# Altium PCB tesis.PcbDoc (part 2 of 3)
Units mil, origin at the board's own origin, x right, y up, seen from the top; angles counter-clockwise.
Board outline 5873 x 4555 mil, 2 copper layers (Top Layer, Bottom Layer); 272 components, 151 nets, 815 pads, 292 vias.
Unrouted connection lines stored in the file: 224.
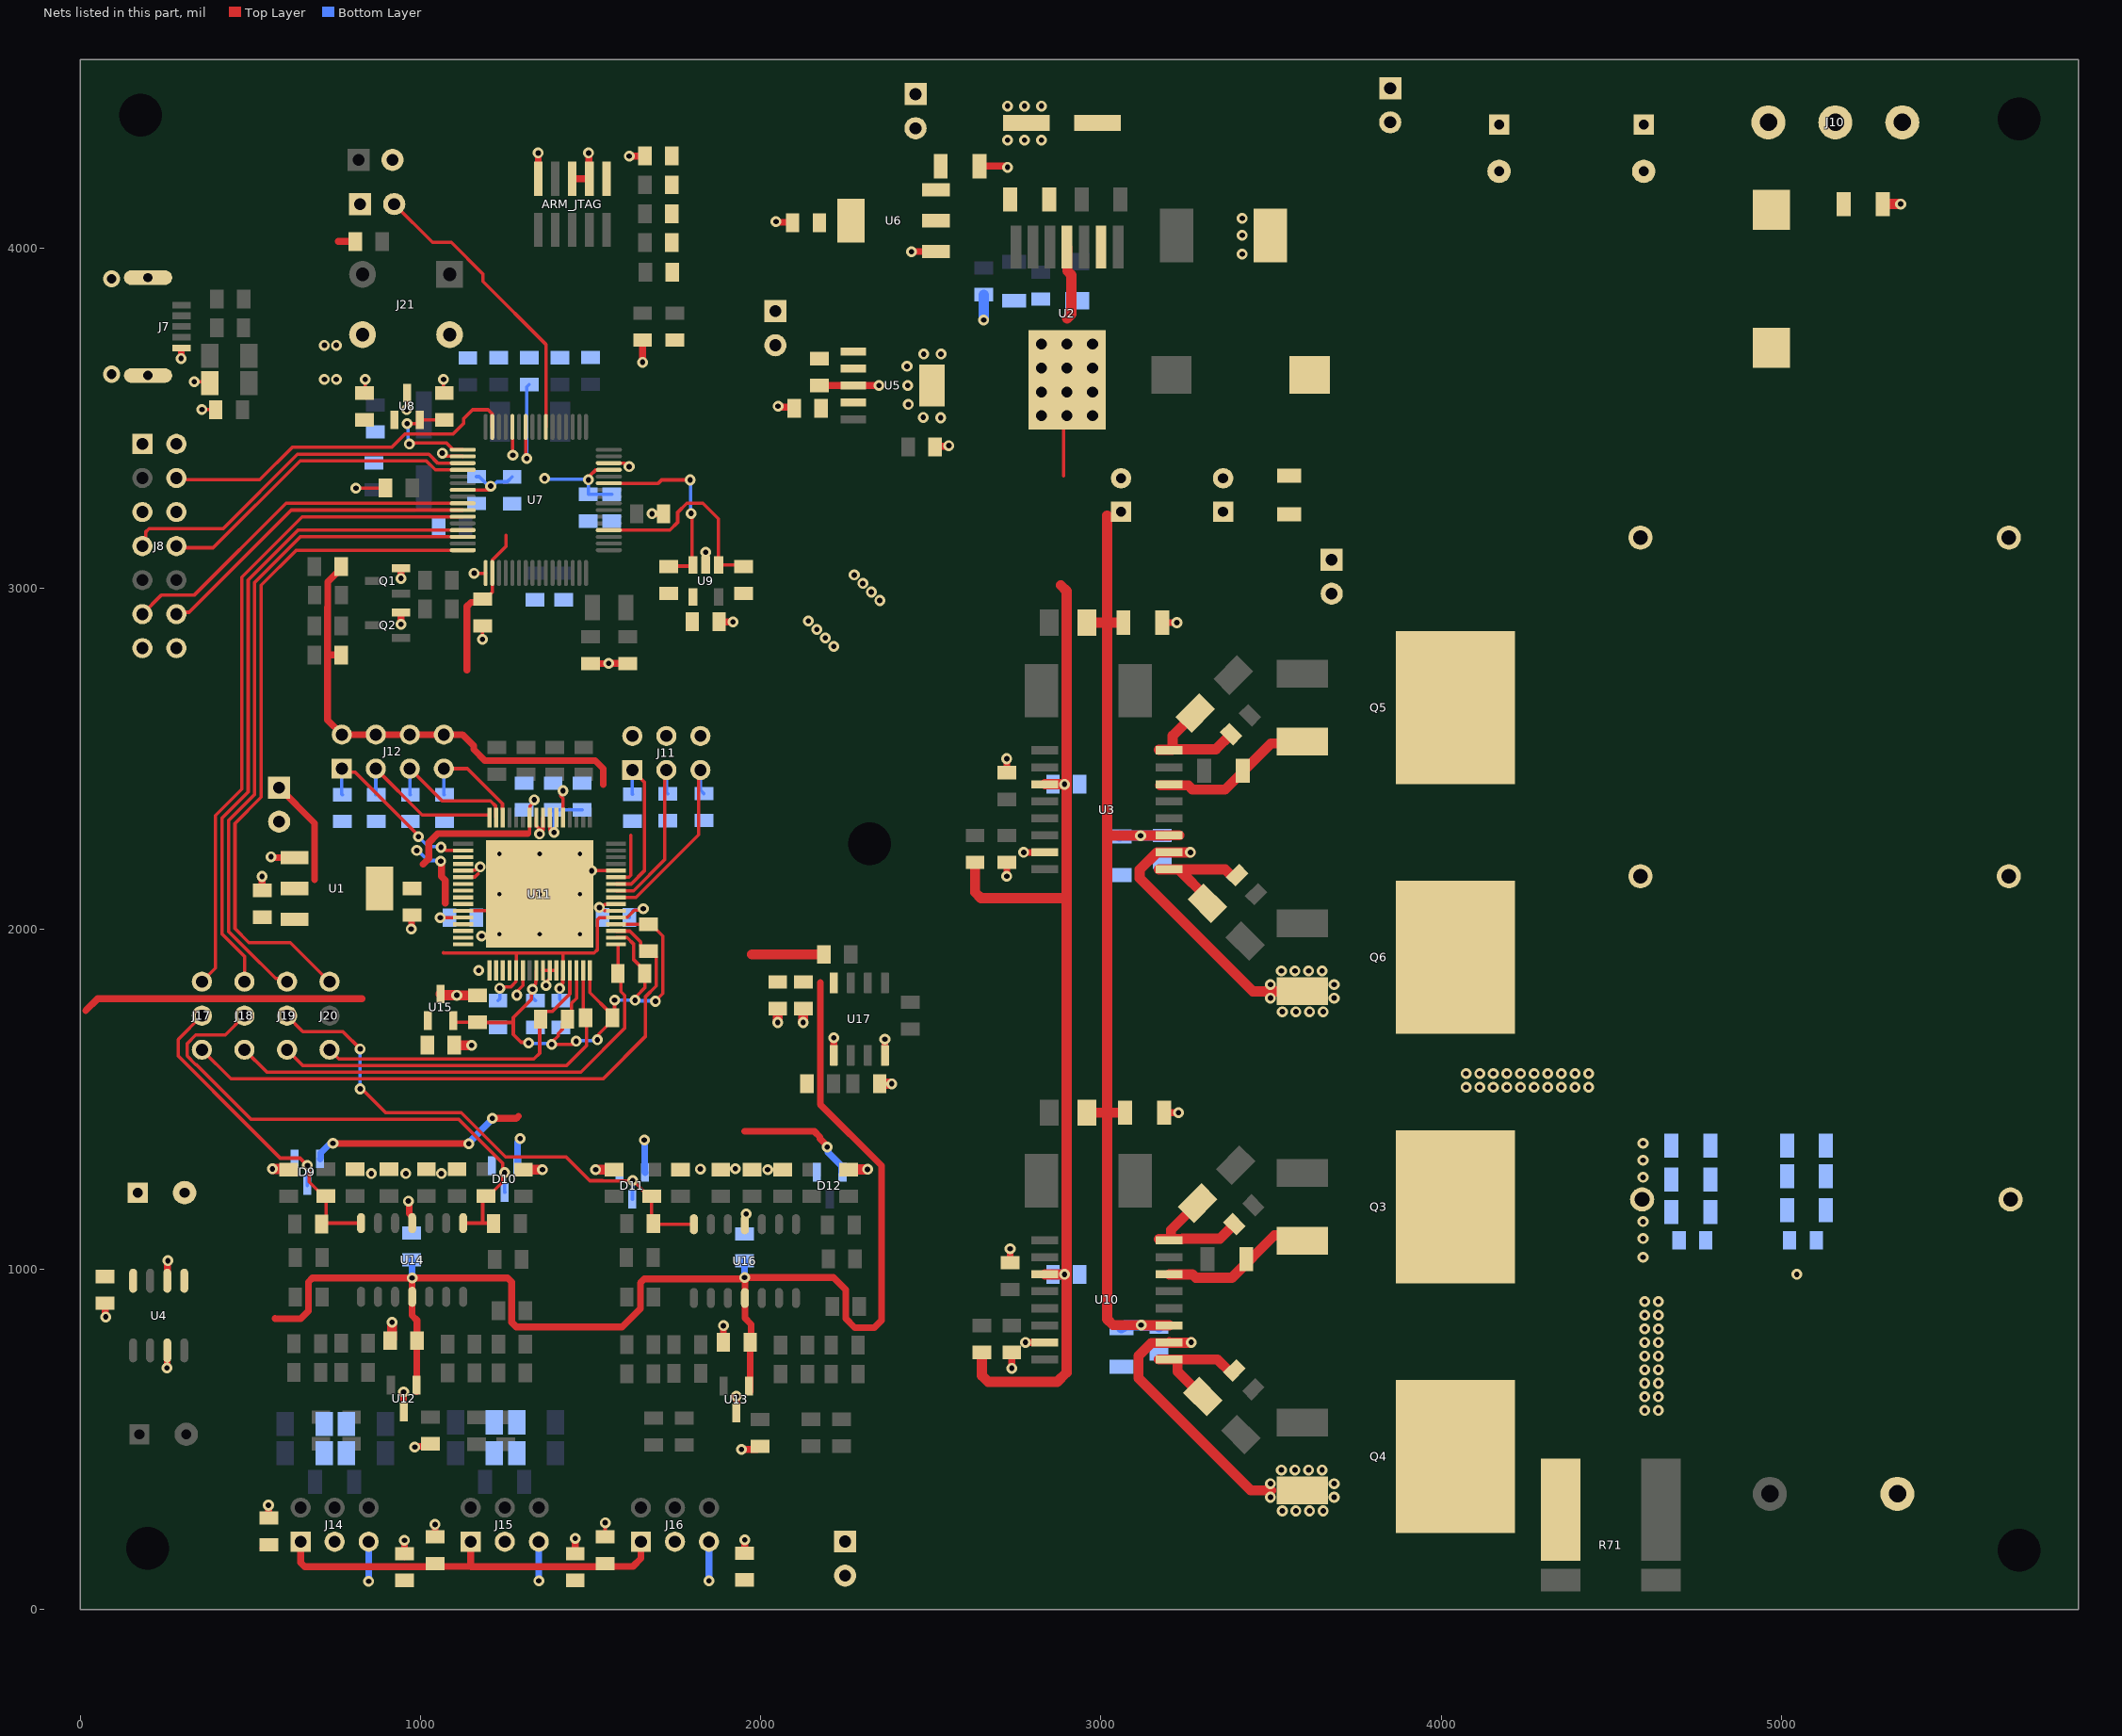
[diagram p2: the nets of this part, all layers, seen from the top]

## Part data (continued)
D2: "LED YELLOW CLEAR 0805 SMD", Digikey Part Number=732-4987-1-ND, Manufacturer="Wurth Electronics Inc.", Manufacturer Part Number=150080YS75000, Mouser Part Number=710-150080YS75000
D4: "LED RED CLEAR 0805 SMD", Digikey Part Number=732-4984-1-ND, Manufacturer="Wurth Electronics Inc.", Manufacturer Part Number=150080RS75000, Mouser Part Number=710-150080RS75000
D5: "LED GREEN CLEAR 0805 SMD", Digikey Part Number=732-4986-1-ND, Manufacturer="Wurth Electronics Inc.", Manufacturer Part Number=150080VS75000, Mouser Part Number=710-150080VS75000
D7 D8 D14 D15: library part DIO_S1A-13-F_DI, "DIODE GEN PURP 50V 1A SMA", Digikey Part Number=S1A-FDICT-ND, Manufacturer="Diodes Incorporated", Mouser Part Number=621-S1A-F, Manufacturer Part Number=S1A-13-F
D9 D10 D11 D12: library part DIO_BAS40-04-TP, "DIODE ARRAY SCHOTTKY 40V SOT23", Average Rectified Current=200mA, Capacitance=5pF, Case/Package=SOT-23, Forward Voltage=1V, Manufacturer=MCC, Max Forward Surge Current (Ifsm)=600mA, Max Operating Temperature=125°C, Max Repetitive Reverse Voltage (Vrrm)=40V, Max Reverse Current=200nA, Min Operating Temperature=-55°C, Package Quantity=3000, Power Dissipation=200mW, Supplier Part Number 1=BAS40-04TPMSCT-ND, Category="Rectifier Diodes", ComponentLink1Description=https://datasheet.ciiva.com/4716/bas40-bas70sot-23-28891-4716000.pdf?src-supplier=Mouser, ComponentLink1URL=https://datasheet.ciiva.com/4716/bas40-bas70sot-23-28891-4716000.pdf?src-supplier=Mouser, ComponentLink2Description=https://datasheet.ciiva.com/23684/1684803-23684306.pdf?src-supplier=Newark, ComponentLink2URL=https://datasheet.ciiva.com/23684/1684803-23684306.pdf?src-supplier=Newark, ComponentLink3Description=https://datasheet.ciiva.com/906/bas40-bas70sot-23-906320.pdf?src-supplier=Digi-Key, ComponentLink3URL=https://datasheet.ciiva.com/906/bas40-bas70sot-23-906320.pdf?src-supplier=Digi-Key, ComponentLink4Description=https://datasheet.ciiva.com/15200/getdatasheetpartid-226544-15200426.pdf?src-supplier=Verical, ComponentLink4URL=https://datasheet.ciiva.com/15200/getdatasheetpartid-226544-15200426.pdf?src-supplier=Verical, ComponentLink5Description=https://datasheet.ciiva.com/7624/1684803-7624699.pdf?src-supplier=Element14, ComponentLink5URL=https://datasheet.ciiva.com/7624/1684803-7624699.pdf?src-supplier=Element14, ComponentLink6Description=https://datasheet.ciiva.com/906/bas40-bas70sot-23-906318.pdf?src-supplier=Digi-Key, ComponentLink6URL=https://datasheet.ciiva.com/906/bas40-bas70sot-23-906318.pdf?src-supplier=Digi-Key, ComponentLink7Description=https://datasheet.ciiva.com/906/bas40-bas70sot-23-906319.pdf?src-supplier=Digi-Key, ComponentLink7URL=https://datasheet.ciiva.com/906/bas40-bas70sot-23-906319.pdf?src-supplier=Digi-Key, Element Configuration=Single, Forward Current=200mA, Height=1.02mm, Lead Free="Lead Free", Length=3.04mm, Manufacturer Part Number=BAS40-04-TP, Max Reverse Leakage Current=200nA, Max Reverse Voltage (DC)=40V, Max Surge Current=600mA, Mount="Surface Mount", Number of Pins=3, Packaging="Tape and Reel", Peak Non-Repetitive Surge Current=600mA, Pricing 1="1=0,24000, 10=0,19400, 100=0,07920, 500=0,06606, 1000=0,04590 (USD)", Radiation Hardening=No, REACH SVHC=Unknown, Recovery Time=5ns, Reverse Recovery Time=5ns, RoHS=Yes, Stock 1=1037806, Supplier 1=Digi-Key, Width=1.4mm
J7: "CONN RCPT MINI USB2.0 5POS SLD", Digikey Part Number=H11589CT-ND, Manufacturer="Hirose Electric Co Ltd", Manufacturer Part Number=UX60SC-MB-5S8, Mouser Part Number=798-UX60SC-MB-5S8
J9: "Large Style 2pos 32a 500vac 24-10awg Green Plastic Interlocking Housing 9.5.0mm Pitch", Color=Green, Current=30A, Current Rating=32A, Flammability Rating="UL94 V-0", Manufacturer="Phoenix Contact", Manufacturer Part Number=1714971, Max Supply Voltage=690V, Package Quantity=50, Supplier Part Number 1=277-1271-ND, Voltage=600V, Voltage Rating=1kV, Approvals=UL,CSA,cULus,EAC, Category="Test Probes, Leads and Clips", ComponentLink1Description=https://datasheet.ciiva.com/16071/1714971-16071957.pdf?src-supplier=Onlinecomponents.com, ComponentLink1URL=https://datasheet.ciiva.com/16071/1714971-16071957.pdf?src-supplier=Onlinecomponents.com, ComponentLink2Description=https://datasheet.ciiva.com/823/1714971-823798.pdf?src-supplier=Digi-Key, ComponentLink2URL=https://datasheet.ciiva.com/823/1714971-823798.pdf?src-supplier=Digi-Key, ComponentLink3Description=https://datasheet.ciiva.com/15169/getdatasheetpartid-177884-15169654.pdf?src-supplier=Verical, ComponentLink3URL=https://datasheet.ciiva.com/15169/getdatasheetpartid-177884-15169654.pdf?src-supplier=Verical, ComponentLink4Description=https://datasheet.ciiva.com/1118/100944-1118424.pdf?src-supplier=Element14, ComponentLink4URL=https://datasheet.ciiva.com/1118/100944-1118424.pdf?src-supplier=Element14, ComponentLink5Description=https://datasheet.ciiva.com/29218/744593-da-01-en-printklemme-mkds-5-2-9-5-29218293.pdf?src-supplier=Conrad, ComponentLink5URL=https://datasheet.ciiva.com/29218/744593-da-01-en-printklemme-mkds-5-2-9-5-29218293.pdf?src-supplier=Conrad, Connector Type="PCB,Terminal Block", Contact Material=Tin, Depth=12.5mm, Gender=Male, Height=21.5mm, Housing Color=Green, Housing Material=Polyamide, Insulation Material=Nylon, Lead Free="Lead Free", Length=19.04mm, Material=Polyamide, Max Current Rating=32A, Mount="Through Hole", Number of Circuits=2, Number of Contacts=2, Number of Levels=1, Number of Pins=2, Number of Poles=2, Number of Positions=2, Number of Positions Per Level=2, Number of Rows=1, Orientation=Straight, Packaging=Bulk, Pitch=0.375inch, Radiation Hardening=No, REACH SVHC="No SVHC", RoHS Compliant=Yes, Series=MKDS, Stripping Length=8mm, Supplier 1=Digi-Key, Termination=Screw, Weight=0.228928oz, Width=21.5mm, Wire Gauge (Max)=24AWG, Wire Gauge (Min)=10AWG, Wire/Cable Gauge=24AWG
J10: "TERM BLK 3POS SIDE ENTRY 5MM PCB", Manufacturer="Wurth Electronics", Manufacturer Part Number=691137710003, Supplier Part Number 1=732-10956-ND, ComponentLink1Description=https://katalog.we-online.de/em/datasheet/691137710003.pdf?src-supplier=Digi-Key, ComponentLink1URL=https://katalog.we-online.de/em/datasheet/691137710003.pdf?src-supplier=Digi-Key, Pricing 1="1=0,62000, 10=0,55000, 50=0,49000, 100=0,44000, 500=0,42000 (USD)", RoHS=No, Stock 1=910, Supplier 1=Digi-Key
J21: "SWITCH TACTILE SPST-NO 0.05A 24V", Digikey Part Number=SW400-ND, Manufacturer="Omron Electronics Inc-EMC Div", Manufacturer Part Number=B3F-1000, Mouser Part Number=653-B3F-1000
L1 L4: "FIXED IND 10UH 2A 65 MOHM SMD", Digikey Part Number=SRR1005-100MCT-ND, Manufacturer="Bourns Inc", Manufacturer Part Number=SRR1005-100M, Mouser Part Number=652-SRR1005-100M
L3: "FIXED IND 10UH 250mA 1.6 OHM SMD", Digikey Part Number=CM453232-100KLCT-ND, Manufacturer="Bourns Inc", Manufacturer Part Number=CM453232-100KL, Mouser Part Number=652-CM453232-100KL
M1 M2 M3 M4 M5: "SCREW"
Q1 Q2: library part Q_MMBT2222A-7-F_DIODES, "TRANS NPN 40V 0.6A SMD SOT23-3", Digikey Part Number=MMBT2222A-7-F, Manufacturer Part Number=MMBT2222A-FDICT-ND, Mouser Part Number=621-MMBT2222A-F
Q3 Q4 Q5 Q6: library part MSC_IRF3205STRLPBF, "INFINEON         IRF3205STRLPBF             MOSFET Transistor, N Channel, 110 A, 55 V, 0.008 ohm, 10 V, 4 V", Case/Package=D2PAK, Continuous Drain Current (ID)=110A, Drain to Source Breakdown Voltage=55V, Drain to Source Resistance=8mR, Gate to Source Voltage (Vgs)=20V, Input Capacitance=3.247nF, Manufacturer=Infineon, Manufacturer Part Number=IRF3205STRLPBF, Max Operating Temperature=175°C, Max Power Dissipation=200W, Min Operating Temperature=-55°C, Supplier Part Number 1=IRF3205STRLPBFCT-ND, Threshold Voltage=4V, Category=MOSFETs, ComponentLink1Description=https://www.alliedelec.com/m/d/b8827ca43655240244f0cc5c2198e6b1.pdf?src-supplier=Allied+Electronics, ComponentLink1URL=https://www.alliedelec.com/m/d/b8827ca43655240244f0cc5c2198e6b1.pdf?src-supplier=Allied+Electronics, ComponentLink2Description=http://www.infineon.com/dgdl/irf3205spbf.pdf?fileId=5546d462533600a4015355defac9190c&src-supplier=Digi-Key, ComponentLink2URL=http://www.infineon.com/dgdl/irf3205spbf.pdf?fileId=5546d462533600a4015355defac9190c&src-supplier=Digi-Key, ComponentLink3Description=http://www.farnell.com/datasheets/1884183.pdf?src-supplier=Element14, ComponentLink3URL=http://www.farnell.com/datasheets/1884183.pdf?src-supplier=Element14, ComponentLink4Description=https://www.infineon.com/dgdl/irf3205spbf.pdf?fileId=5546d462533600a4015355defac9190c&src-supplier=Digi-Key, ComponentLink4URL=https://www.infineon.com/dgdl/irf3205spbf.pdf?fileId=5546d462533600a4015355defac9190c&src-supplier=Digi-Key, Drain to Source Voltage (Vdss)=55V, Halogen Free="Halogen Free", Height=0.19inch, Lead Free="Contains Lead", Length=0.42inch, Max Dual Supply Voltage=55V, Mount="Surface Mount", Number of Pins=3, Packaging="Cut Tape", Power Dissipation=200W, Pricing 1="1=1,74000, 10=1,42600, 25=1,39920, 100=1,10880 (USD)", Rds On Max=8mR, REACH SVHC="No SVHC", RoHS=Yes, Stock 1=754, Supplier 1=Digi-Key, Turn-Off Delay Time=50ns, Turn-On Delay Time=14ns, Width=0.38inch
R1: "Res Thick Film 0805 8.87K Ohm 1% 0.125W(1/8W) ±100ppm/C Epoxy Pad SMD T/R", Case Code (Imperial)=0805, Case Code (Metric)=2012, Manufacturer=Yageo, Manufacturer Part Number=RC0805FR-078K87L, Max Operating Temperature=155°C, Max Power Dissipation=125mW, Min Operating Temperature=-55°C, Package Quantity=1, Resistor Type="Thick Film", Supplier Part Number 1=311-8.87KCRCT-ND, Temperature Coefficient=100ppm/°C, Tolerance=1%, Voltage Rating=150V, Case/Package=0805, Category="Chip SMD Resistors", ComponentLink1Description=https://datasheet.ciiva.com/17423/rc0805-17423031.pdf?src-supplier=Future+Electronics, ComponentLink1URL=https://datasheet.ciiva.com/17423/rc0805-17423031.pdf?src-supplier=Future+Electronics, ComponentLink2Description=https://datasheet.ciiva.com/2491/pyu-r-int-thick-7-2491576.pdf?src-supplier=Digi-Key, ComponentLink2URL=https://datasheet.ciiva.com/2491/pyu-r-int-thick-7-2491576.pdf?src-supplier=Digi-Key, ComponentLink3Description=https://datasheet.ciiva.com/2491/pyu-r-int-thick-7-2491577.pdf?src-supplier=Digi-Key, ComponentLink3URL=https://datasheet.ciiva.com/2491/pyu-r-int-thick-7-2491577.pdf?src-supplier=Digi-Key, ComponentLink4Description=https://datasheet.ciiva.com/2491/pyu-r-int-thick-7-2491578.pdf?src-supplier=Digi-Key, ComponentLink4URL=https://datasheet.ciiva.com/2491/pyu-r-int-thick-7-2491578.pdf?src-supplier=Digi-Key, Construction=Rectangular, Contact Plating=Tin,Lead,Matte, Depth=1.25mm, Features="Moisture Resistant", Height=0.024inch, Lead Free="Lead Free", Length=2mm, Military Standard=Not, Number of Terminations=2, Packaging="Tape and Reel", Power Rating=125mW, Radiation Hardening=No, RoHS Compliant=Yes, Series=RC, Size Code=0805, Supplier 1=Digi-Key, Termination=SMD/SMT, Voltage Rating (DC)=150V, Width=0.049inch
R2: "RES SMD 8.2K OHM 5% 1/4W 1206", Digikey Part Number=P8.2KECT-ND, Manufacturer=Panasonic, Manufacturer Part Number=ERJ-8GEYJ822V, Mouser Part Number=667-ERJ-8GEYJ822V, Power Rating=1/4W, Tolerance=5%
R3: "Res Thick Film 0805 1.07K Ohm 1% 1/8W 100ppm/C Molded SMD Paper T/R", Case Code (Imperial)=0805, Case Code (Metric)=2012, Manufacturer=Yageo, Manufacturer Part Number=RC0805FR-071K07L, Max Operating Temperature=155°C, Max Power Dissipation=125mW, Min Operating Temperature=-55°C, Package Quantity=1, Resistance=1.07kR, Resistor Type="Thick Film", Supplier Part Number 1=311-1.07KCRCT-ND, Temperature Coefficient=100ppm/°C, Tolerance=1%, Voltage Rating=150V, Case/Package=0805, Category="Chip SMD Resistors", ComponentLink1Description=https://datasheet.ciiva.com/17054/rc0805-17054582.pdf?src-supplier=Future+Electronics, ComponentLink1URL=https://datasheet.ciiva.com/17054/rc0805-17054582.pdf?src-supplier=Future+Electronics, ComponentLink2Description=https://datasheet.ciiva.com/2491/pyu-r-int-thick-7-2491690.pdf?src-supplier=Digi-Key, ComponentLink2URL=https://datasheet.ciiva.com/2491/pyu-r-int-thick-7-2491690.pdf?src-supplier=Digi-Key, ComponentLink3Description=https://datasheet.ciiva.com/2491/pyu-r-int-thick-7-2491691.pdf?src-supplier=Digi-Key, ComponentLink3URL=https://datasheet.ciiva.com/2491/pyu-r-int-thick-7-2491691.pdf?src-supplier=Digi-Key, ComponentLink4Description=https://datasheet.ciiva.com/2491/pyu-r-int-thick-7-2491692.pdf?src-supplier=Digi-Key, ComponentLink4URL=https://datasheet.ciiva.com/2491/pyu-r-int-thick-7-2491692.pdf?src-supplier=Digi-Key, Construction=Rectangular, Contact Plating=Tin,Matte, Depth=1.25mm, Features="Moisture Resistant", Height=0.024inch, Lead Free="Lead Free", Length=2mm, Military Standard=Not, Number of Terminations=2, Packaging="Tape and Reel", Power Rating=125mW, Pricing 1="1=0,10000, 10=0,04000, 100=0,01620, 1000=0,00726, 2500=0,00630 (USD)", RoHS=Yes, RoHS Compliant=Yes, Series=RC, Size Code=0805, Stock 1=47079, Supplier 1=Digi-Key, Termination=SMD/SMT, Voltage Rating (DC)=150V, Width=1.25mm
R4 R8 R9: "RES SMD 130 OHM 1% 1/8W 0805", Digikey Part Number=311-130CRCT-ND, Manufacturer=Yageo, Manufacturer Part Number=RC0805FR-07130RL, Mouser Part Number=603-RC0805FR-07130RL, Power Rating=1/8W, Tolerance=1%
R5 R6: "RES SMD 2 OHM 5% 1/2W 1206 ANTI SURGE", Manufacturer=Vishay, Manufacturer Part Number=RCS12062R00JNEA, Supplier Part Number 1=541-10617-1-ND, Category="Chip SMD Resistors", Pricing 1="1=0,26000, 10=0,22300, 100=0,08730, 1000=0,03654, 2500=0,03350 (USD)", RoHS=No, Stock 1=9930, Supplier 1=Digi-Key
R7 R23 R24 R27 R28 R36 R38 R42 R45 R47 R51 R54 R56 R60 R65 R81 R82 R94 R95: "RES SMD 4.7K OHM 1% 1/8W 0805", Digikey Part Number=311-4.70KCRCT-ND, Manufacturer=Yageo, Manufacturer Part Number=RC0805FR-074K7L, Mouser Part Number=603-RC0805FR-074K7L, Power Rating=1/8W, Tolerance=1%
R10 R11 R12 R13 R25 R29: "RES SMD 100K OHM 5% 1/8W 0805", Digikey Part Number=YAG3756CT-ND, Manufacturer=Yageo, Manufacturer Part Number=AC0805JR-07100KL, Mouser Part Number=603-AC0805JR-07100KL, Power Rating=1/8W, Tolerance=5%
R14 R15 R41 R43 R50 R52 R59 R61 R68 R70 R72 R73 R74 R75 R76 R77 R78 R80: "RES SMD 10K OHM 1% 1/8W 0805", Digikey Part Number=311-10.0KCRCT-ND, Manufacturer=Yageo, Manufacturer Part Number=RC0805FR-0710KL, Mouser Part Number=603-RC0805FR-0710KL, Power Rating=1/8W, Tolerance=1%
R16: "RES SMD 100K OHM 5% 1/4W 1206", Digikey Part Number=311-100KERCT-ND, Manufacturer=YAGEO, Manufacturer Part Number=RC1206JR-07100KL, Mouser Part Number=603-RC1206JR-07100KL, Power Rating=1/4W, Tolerance=5%
R17: "RES SMD 180K OHM 5% 1/4W 1206", Digikey Part Number=311-180KERCT-ND, Manufacturer=YAGEO, Manufacturer Part Number=RC1206JR-07180KL, Mouser Part Number=603-RC1206JR-07180KL, Power Rating=1/4W, Tolerance=5%
R18 R19 R30 R31 R83 R84: "RES SMD 22 OHM 5% 1/8W 0805", Digikey Part Number=311-22ARCT-ND, Manufacturer=Yageo, Manufacturer Part Number=AC0805JR-0722RL, Mouser Part Number=603-AC0805JR-0722RL, Power Rating=1/8W, Tolerance=5%
R20 R21 R22: "RES SMD 10K OHM 5% 1/8W 0805", Digikey Part Number=311-10KARCT-ND, Manufacturer=Yageo, Manufacturer Part Number=RC0805JR-0710KL, Mouser Part Number=603-RC0805JR-0710KL, Power Rating=1/8W, Tolerance=5%
R26: "RES SMD 24K OHM 1% 1/8W 0805", Digikey Part Number=311-24.0KCRCT-ND, Manufacturer=Yageo, Manufacturer Part Number=RC0805FR-0724KL, Mouser Part Number=603-RC0805FR-0724KL, Power Rating=1/8W, Tolerance=1%
R32 R33 R34 R79: "RES SMD 100 OHM 1% 1/8W 0805", Digikey Part Number=311-100CRCT-ND, Manufacturer=Yageo, Manufacturer Part Number=RC0805FR-07100RL, Mouser Part Number=603-RC0805FR-07100RL, Power Rating=1/8W, Tolerance=1%
R35 R39 R44 R48 R53 R57: "RES SMD 3.16K OHM 1% 1/8W 0805", Digikey Part Number=311-3.16KCRCT-ND, Manufacturer=Yageo, Manufacturer Part Number=RC0805FR-073K16L, Mouser Part Number=603-RC0805FR-073K16L, Power Rating=1/8W, Tolerance=1%
R37 R40 R46 R49 R55 R58 R64 R67: "RES SMD 9.31K OHM 1% 1/8W 0805", Digikey Part Number=311-9.31KCRCT-ND, Manufacturer=Yageo, Manufacturer Part Number=RC0805FR-079K31L, Mouser Part Number=603-RC0805FR-079K31L, Power Rating=1/8W, Tolerance=1%
R62 R66: "RES SMD 1.02K OHM 1% 1/8W 0805", Case Code (Imperial)=0805, Case Code (Metric)=2012, Manufacturer=Yageo, Manufacturer Part Number=RC0805FR-071K02L, Max Operating Temperature=155°C, Max Power Dissipation=125mW, Min Operating Temperature=-55°C, Resistor Type="Thick Film", Supplier Part Number 1=311-1.02KCRCT-ND, Temperature Coefficient=100ppm/°C, Tolerance=1%, Voltage Rating=150V, Case/Package=0805, Category="Chip SMD Resistors", ComponentLink1Description=https://datasheet.ciiva.com/12557/rc0805-257173-12557847.pdf?src-supplier=Mouser, ComponentLink1URL=https://datasheet.ciiva.com/12557/rc0805-257173-12557847.pdf?src-supplier=Mouser, ComponentLink2Description=https://datasheet.ciiva.com/16746/rc0805-16746216.pdf?src-supplier=Future+Electronics, ComponentLink2URL=https://datasheet.ciiva.com/16746/rc0805-16746216.pdf?src-supplier=Future+Electronics, Construction=Rectangular, Depth=1.25mm, Features="Moisture Resistant", Height=0.5mm, Lead Free="Lead Free", Length=2mm, Military Standard=Not, Number of Terminations=2, Packaging="Tape and Reel", Power Rating=125mW, RoHS Compliant=Yes, Series=RC, Size Code=0805, Supplier 1=Digi-Key, Termination=SMD/SMT, Voltage Rating (DC)=150V, Width=1.25mm
R63 R69: "RES SMD 12.7K OHM 1% 1/8W 0805", Case Code (Imperial)=0805, Case Code (Metric)=2012, Manufacturer=Yageo, Manufacturer Part Number=RC0805FR-0712K7L, Max Operating Temperature=155°C, Max Power Dissipation=125mW, Min Operating Temperature=-55°C, Package Quantity=1, Resistor Type="Thick Film", Supplier Part Number 1=311-12.7KCRCT-ND, Temperature Coefficient=100ppm/°C, Tolerance=1%, Voltage Rating=150V, Case/Package=0805, Category="Chip SMD Resistors", ComponentLink1Description=https://datasheet.ciiva.com/12555/rc0805-257173-12555397.pdf?src-supplier=Mouser, ComponentLink1URL=https://datasheet.ciiva.com/12555/rc0805-257173-12555397.pdf?src-supplier=Mouser, ComponentLink2Description=https://datasheet.ciiva.com/2491/pyu-r-int-thick-7-2491627.pdf?src-supplier=Digi-Key, ComponentLink2URL=https://datasheet.ciiva.com/2491/pyu-r-int-thick-7-2491627.pdf?src-supplier=Digi-Key, ComponentLink3Description=https://datasheet.ciiva.com/2491/pyu-r-int-thick-7-2491628.pdf?src-supplier=Digi-Key, ComponentLink3URL=https://datasheet.ciiva.com/2491/pyu-r-int-thick-7-2491628.pdf?src-supplier=Digi-Key, ComponentLink4Description=https://datasheet.ciiva.com/2491/pyu-r-int-thick-7-2491629.pdf?src-supplier=Digi-Key, ComponentLink4URL=https://datasheet.ciiva.com/2491/pyu-r-int-thick-7-2491629.pdf?src-supplier=Digi-Key, Construction=Rectangular, Depth=1.25mm, Features="Moisture Resistant", Height=0.024inch, Lead Free="Lead Free", Length=2mm, Military Standard=Not, Number of Terminations=2, Packaging="Tape and Reel", Power Rating=125mW, RoHS Compliant=Yes, Series=RC, Size Code=0805, Supplier 1=Digi-Key, Termination=SMD/SMT, Voltage Rating (DC)=150V, Width=1.25mm
R71: "WSL Series 3637 3 W 0.006 Ohm ±1% ±50 ppm/°C SMT Power Metal Strip® Resistor", Case Code (Imperial)=3637, Case Code (Metric)=9194, Manufacturer="Vishay Dale", Max Operating Temperature=170°C, Max Power Dissipation=3W, Min Operating Temperature=-65°C, Package Quantity=4000, Resistor Type="Metal Strip", Supplier Part Number 1=WSLI-.006CT-ND, Temperature Coefficient=50ppm/°C, Tolerance=1%, Case/Package=3637, Category="Chip SMD Resistors", ComponentLink1Description=https://datasheet.ciiva.com/9064/wsl3637-9064007.pdf?src-supplier=Avnet, ComponentLink1URL=https://datasheet.ciiva.com/9064/wsl3637-9064007.pdf?src-supplier=Avnet, ComponentLink2Description=https://datasheet.ciiva.com/17193/wsl3637-17193820.pdf?src-supplier=Avnet+Europe, ComponentLink2URL=https://datasheet.ciiva.com/17193/wsl3637-17193820.pdf?src-supplier=Avnet+Europe, ComponentLink3Description=https://datasheet.ciiva.com/16215/wsl3637-16215263.pdf?src-supplier=Future+Electronics, ComponentLink3URL=https://datasheet.ciiva.com/16215/wsl3637-16215263.pdf?src-supplier=Future+Electronics, Contact Plating=Tin, Features="Moisture Resistant,Automotive AEC-Q200,Anti-Sulfur", Height=0.635mm, Lead Free="Lead Free", Length=9.14mm, Manufacturer Part Number=WSL36376L000FEA, Number of Terminations=4, Packaging="Tape and Reel", Power Rating=3W, Radiation Hardening=No, RoHS Compliant=Yes, Series=WSL, Size Code=3637, Supplier 1=Digi-Key, Termination=SMD/SMT, Weight=0.010229oz, Width=9.4mm
R85: "Res Thick Film 0805 75K Ohm 5% 0.125W(1/8W) ±100ppm/C Molded SMD Paper T/R", Case Code (Imperial)=0805, Case Code (Metric)=2012, Manufacturer=Yageo, Max Operating Temperature=155°C, Max Power Dissipation=125mW, Min Operating Temperature=-55°C, Package Quantity=1, Resistor Type="Thick Film", Supplier Part Number 1=311-75KARCT-ND, Temperature Coefficient=100ppm/°C, Tolerance=5%, Voltage Rating=150V, Case/Package=0805, Category="Chip SMD Resistors", ComponentLink1Description=https://datasheet.ciiva.com/2519/pyu-r-int-thick-7-2519243.pdf?src-supplier=Digi-Key, ComponentLink1URL=https://datasheet.ciiva.com/2519/pyu-r-int-thick-7-2519243.pdf?src-supplier=Digi-Key, ComponentLink2Description=https://datasheet.ciiva.com/2519/pyu-r-int-thick-7-2519244.pdf?src-supplier=Digi-Key, ComponentLink2URL=https://datasheet.ciiva.com/2519/pyu-r-int-thick-7-2519244.pdf?src-supplier=Digi-Key, ComponentLink3Description=https://datasheet.ciiva.com/17361/rc0805-17361116.pdf?src-supplier=Future+Electronics, ComponentLink3URL=https://datasheet.ciiva.com/17361/rc0805-17361116.pdf?src-supplier=Future+Electronics, ComponentLink4Description=https://datasheet.ciiva.com/2519/pyu-r-int-thick-7-2519245.pdf?src-supplier=Digi-Key, ComponentLink4URL=https://datasheet.ciiva.com/2519/pyu-r-int-thick-7-2519245.pdf?src-supplier=Digi-Key, Construction=Rectangular, Contact Plating=Tin,Matte,Lead, Depth=1.25mm, Features="Moisture Resistant", Height=0.024inch, Lead Free="Lead Free", Length=2mm, Manufacturer Part Number=RC0805JR-0775KL, Military Standard=Not, Number of Terminations=2, Packaging="Tape and Reel", Power Rating=125mW, Radiation Hardening=No, RoHS Compliant=Yes, Series=RC, Size Code=0805, Supplier 1=Digi-Key, Termination=SMD/SMT, Voltage Rating (DC)=150V, Width=1.25mm
R86 R87 R88 R89 R90 R91 R92 R93: "YAGEO - RC1206FR-071RL - RES, THICK FILM, 1R, 1%, 0.25W, 1206", Case Code (Imperial)=1206, Case Code (Metric)=3216, Manufacturer=Yageo, Manufacturer Part Number=RC1206FR-071RL, Max Operating Temperature=155°C, Max Power Dissipation=250mW, Min Operating Temperature=-55°C, Package Quantity=5000, Resistance Tolerance=1%, Resistor Type="Thick Film", Supplier Part Number 1=311-1.00FRCT-ND, Temperature Coefficient=200ppm/°C, Voltage Rating=200V, Case/Package=1206, Category="Chip SMD Resistors", ComponentLink1Description=https://datasheet.ciiva.com/11808/0900766b80c6630a-11808247.pdf?src-supplier=RSComponents, ComponentLink1URL=https://datasheet.ciiva.com/11808/0900766b80c6630a-11808247.pdf?src-supplier=RSComponents, ComponentLink2Description=https://datasheet.ciiva.com/16905/pyu-rc1206-51-rohs-l-4-16905929.pdf?src-supplier=Future+Electronics, ComponentLink2URL=https://datasheet.ciiva.com/16905/pyu-rc1206-51-rohs-l-4-16905929.pdf?src-supplier=Future+Electronics, ComponentLink3Description=https://datasheet.ciiva.com/46445/444357-46445710.pdf?src-supplier=Element14, ComponentLink3URL=https://datasheet.ciiva.com/46445/444357-46445710.pdf?src-supplier=Element14, Construction=Rectangular, Depth=1.6mm, Features="Moisture Resistant", Height=0.026inch, Lead Free="Lead Free", Length=3.1mm, Military Standard=Not, Number of Pins=2, Number of Terminations=2, Packaging="Tape and Reel", Power Rating=250mW, REACH SVHC="No SVHC", RoHS Compliant=Yes, Series=RC, Size Code=1206, Supplier 1=Digi-Key, Technology="THICK FILM", Termination=SMD/SMT, Tolerance=1%, Voltage Rating (DC)=200V, Width=0.063inch
U1: library part IC_LM1117MP-1.8/NOPB, "IC REG LDO 1.8V .8A SOT-223-4", Case/Package=SOT-223, Current Rating=800A, Dropout Voltage=1.2V, Manufacturer="TI National Semiconductor", Max Input Voltage=15V, Max Operating Temperature=125°C, Max Output Current=800mA, Min Input Voltage=2.6V, Min Operating Temperature=0°C, Nominal Output Voltage=1.8V, Output Voltage Accuracy=1%, Package Quantity=1000, Quiescent Current=10mA, Supplier Part Number 1=LM1117MP-1.8/NOPBCT-ND, Accuracy=1%, Category="Voltage Regulators - Linear", Height=1.6mm, Lead Free="Lead Free", Length=6.5mm, Manufacturer Part Number=LM1117MP-1.8/NOPB, Mount="Surface Mount", Number of Outputs=1, Number of Pins=4, Number of Terminals/Pins=4, Output Current=800mA, Output Type=Fixed, Output Voltage=1.8V, Packaging="Tape and Reel", Polarity=Positive, Pricing 1="1=1,10000, 10=0,98500, 25=0,93520, 100=0,71810, 250=0,63460, 500=0,60120 (USD)", Radiation Hardening=No, REACH SVHC="No SVHC", RoHS=Yes, Stock 1=6695, Supplier 1=Digi-Key, Width=3.56mm